# KiCad board GPDI_ULX3S_panel.kicad_pcb
title: GPDI PMOD for ULX3S; date: 2023-08-22; rev: 1.6
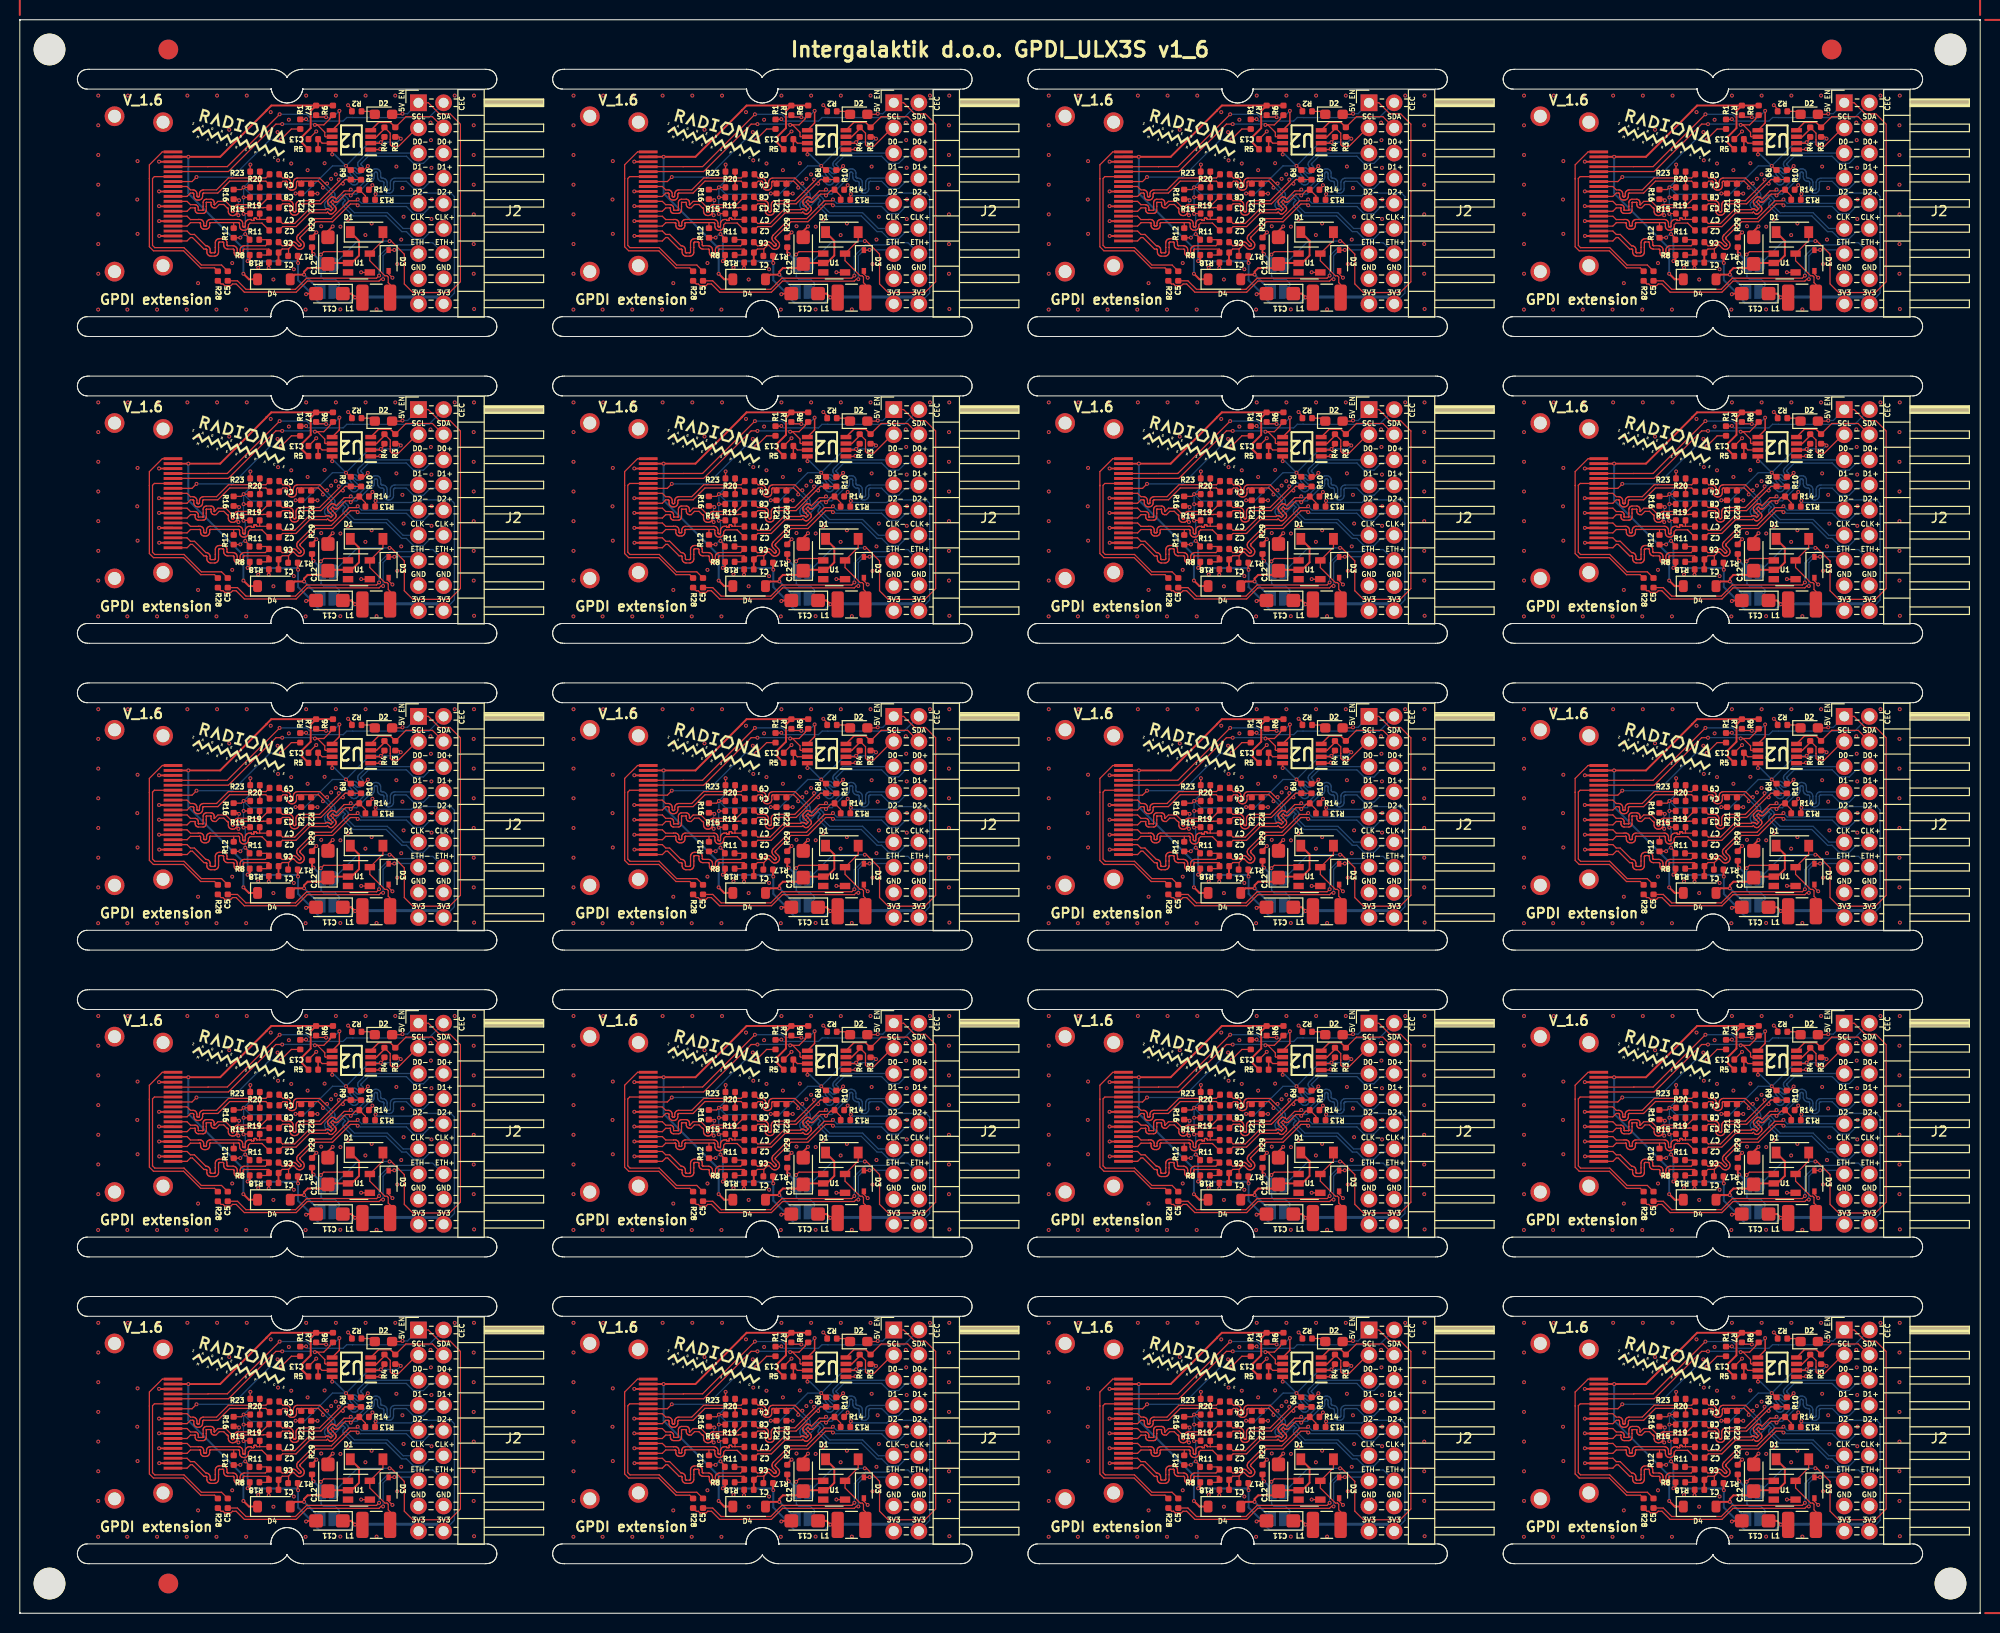
[diagram p0: board, top side]
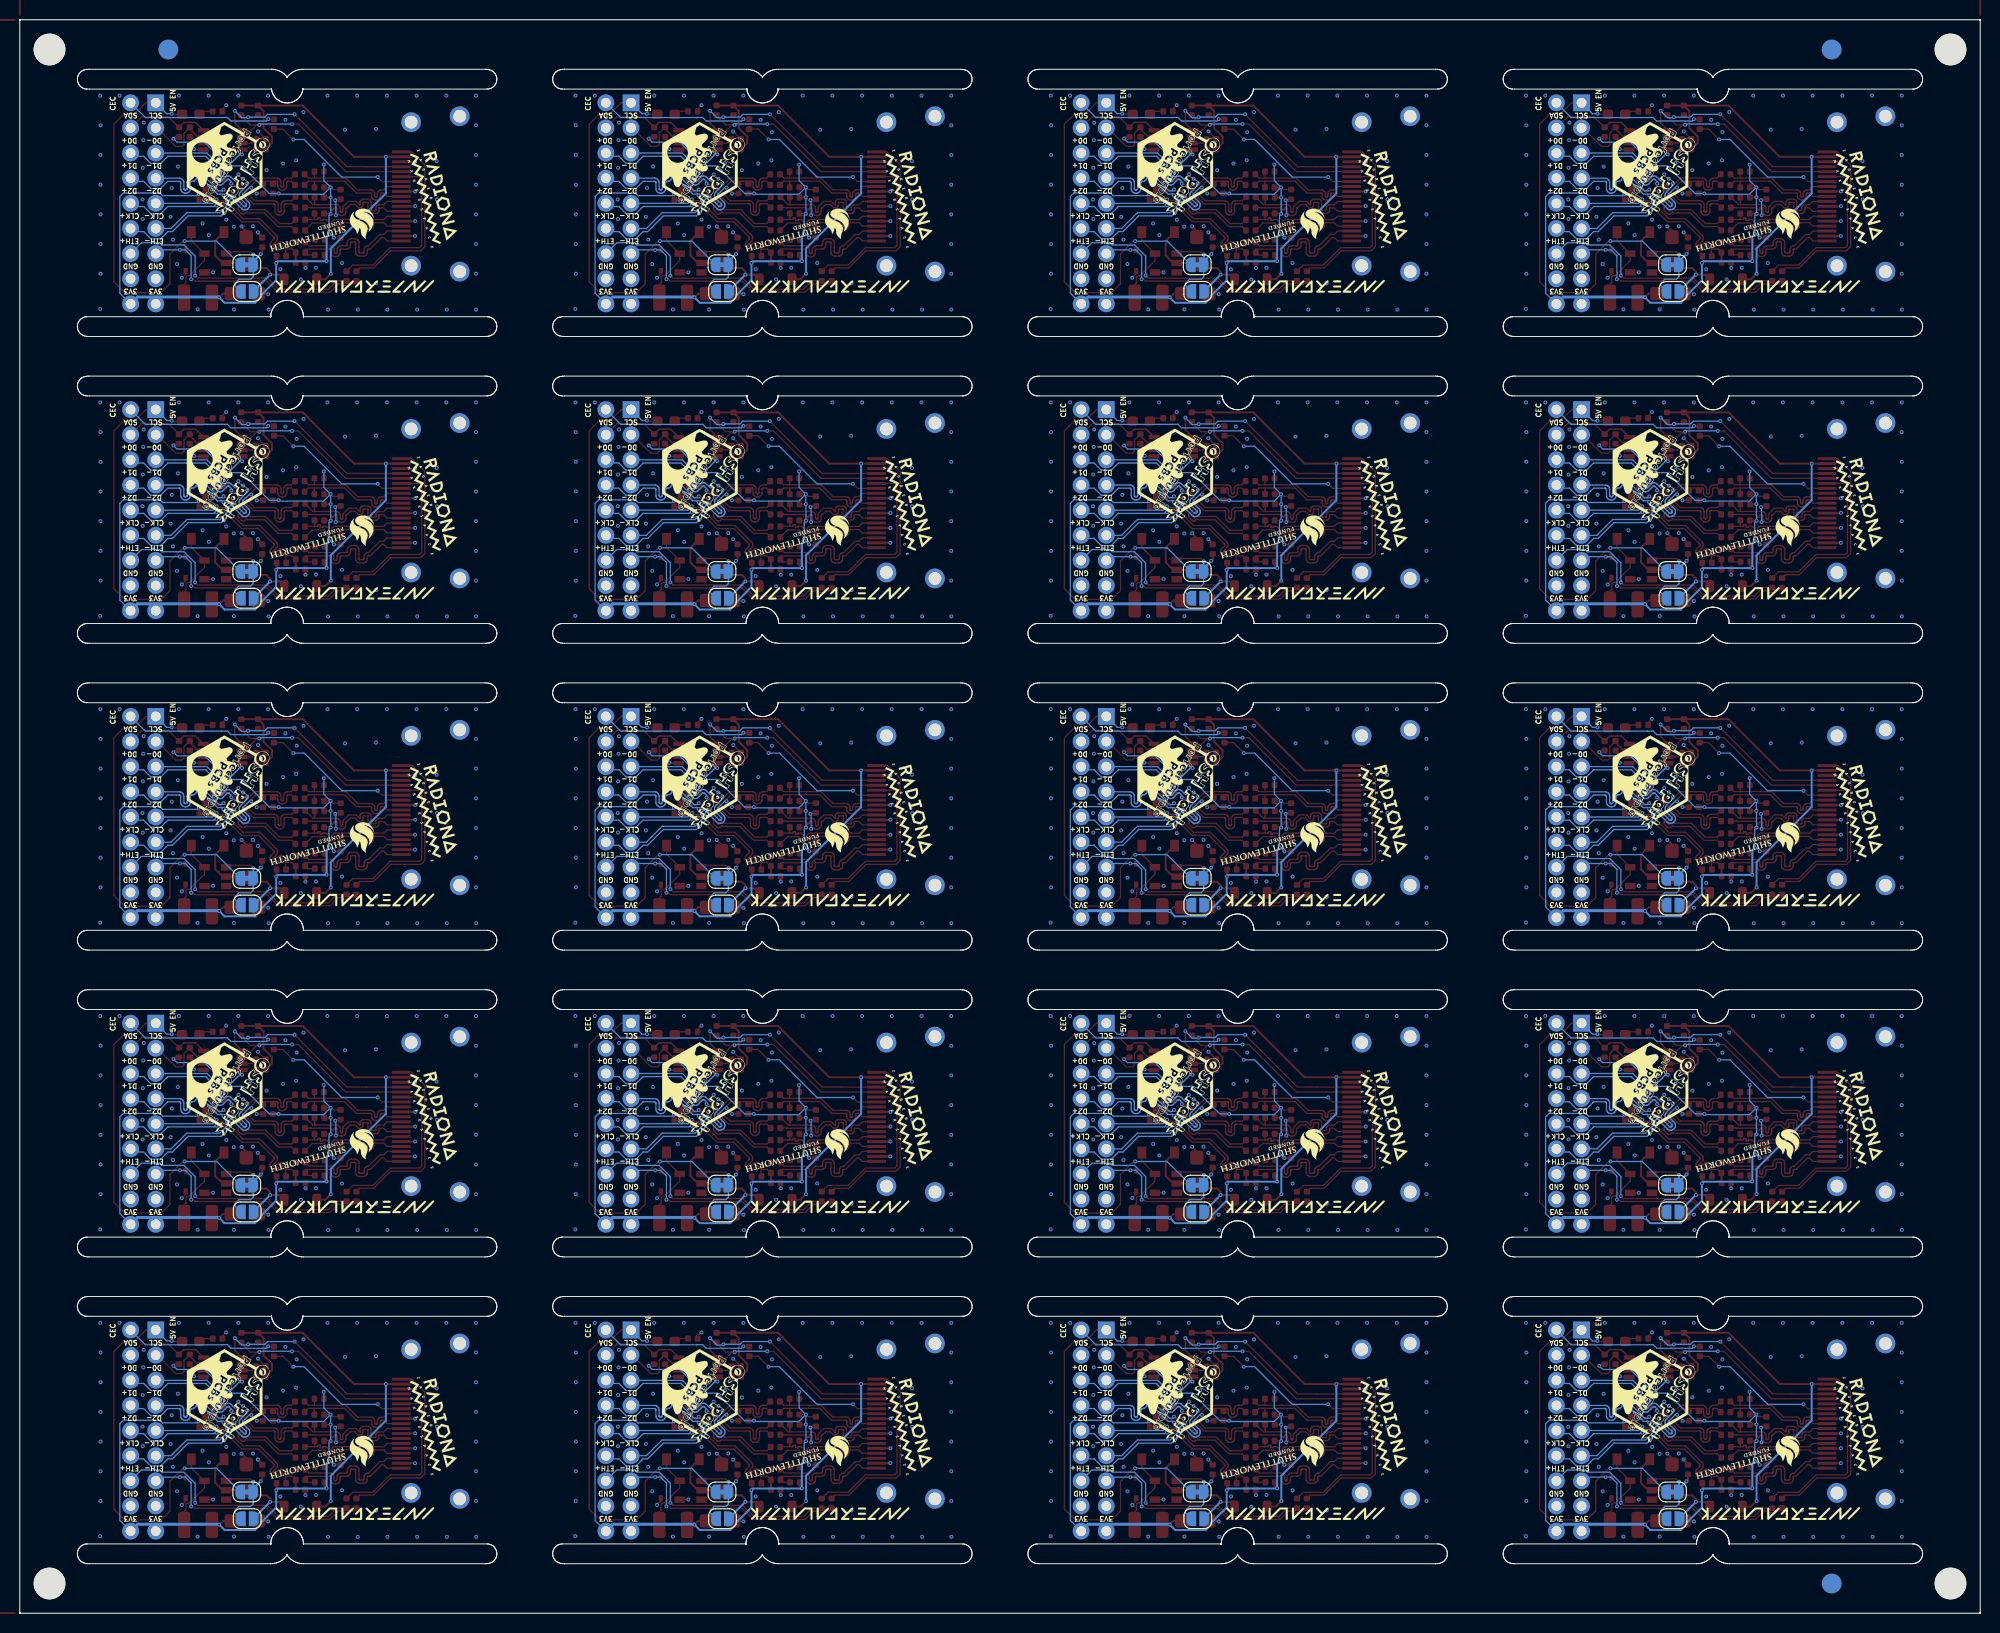
[diagram p1: board, bottom side, seen from below]

Outline 197.99 x 161 mm; copper layers: Top, In1.Cu, In2.Cu, Bottom. Coordinates in mm from the lower left corner of the outline.

## Placement (name value [footprint] x y rotation side)
C1  220nF  [C_0402_1005Metric]  25.65 13.48 180 top
C1#2  220nF  [C_0402_1005Metric]  25.65 106.48 180 top
C1#3  220nF  [C_0402_1005Metric]  169.65 13.48 180 top
C1#4  220nF  [C_0402_1005Metric]  73.65 75.48 180 top
C1#5  220nF  [C_0402_1005Metric]  169.65 137.48 180 top
C1#6  220nF  [C_0402_1005Metric]  73.65 137.48 180 top
C1#7  220nF  [C_0402_1005Metric]  73.65 106.48 180 top
C1#8  220nF  [C_0402_1005Metric]  121.65 44.48 180 top
C1#9  220nF  [C_0402_1005Metric]  25.65 44.48 180 top
C1#10  220nF  [C_0402_1005Metric]  121.65 137.48 180 top
C1#11  220nF  [C_0402_1005Metric]  121.65 75.48 180 top
C1#12  220nF  [C_0402_1005Metric]  169.65 44.48 180 top
C1#13  220nF  [C_0402_1005Metric]  73.65 13.48 180 top
C1#14  220nF  [C_0402_1005Metric]  121.65 106.48 180 top
C1#15  220nF  [C_0402_1005Metric]  169.65 75.48 180 top
C1#16  220nF  [C_0402_1005Metric]  25.65 75.48 180 top
C1#17  220nF  [C_0402_1005Metric]  25.65 137.48 180 top
C1#18  220nF  [C_0402_1005Metric]  121.65 13.48 180 top
C1#19  220nF  [C_0402_1005Metric]  73.65 44.48 180 top
C1#20  220nF  [C_0402_1005Metric]  169.65 106.48 180 top
C2  220nF  [C_0402_1005Metric]  121.67 46.72 180 top
C2#2  220nF  [C_0402_1005Metric]  25.67 139.72 180 top
C2#3  220nF  [C_0402_1005Metric]  73.67 15.72 180 top
C2#4  220nF  [C_0402_1005Metric]  121.67 15.72 180 top
C2#5  220nF  [C_0402_1005Metric]  169.67 108.72 180 top
C2#6  220nF  [C_0402_1005Metric]  73.67 108.72 180 top
C2#7  220nF  [C_0402_1005Metric]  121.67 77.72 180 top
C2#8  220nF  [C_0402_1005Metric]  169.67 139.72 180 top
C2#9  220nF  [C_0402_1005Metric]  73.67 139.72 180 top
C2#10  220nF  [C_0402_1005Metric]  25.67 46.72 180 top
C2#11  220nF  [C_0402_1005Metric]  25.67 108.72 180 top
C2#12  220nF  [C_0402_1005Metric]  25.67 15.72 180 top
C2#13  220nF  [C_0402_1005Metric]  121.67 108.72 180 top
C2#14  220nF  [C_0402_1005Metric]  169.67 77.72 180 top
C2#15  220nF  [C_0402_1005Metric]  73.67 46.72 180 top
C2#16  220nF  [C_0402_1005Metric]  121.67 139.72 180 top
C2#17  220nF  [C_0402_1005Metric]  25.67 77.72 180 top
C2#18  220nF  [C_0402_1005Metric]  169.67 46.72 180 top
C2#19  220nF  [C_0402_1005Metric]  73.67 77.72 180 top
C2#20  220nF  [C_0402_1005Metric]  169.67 15.72 180 top
C3  220nF  [C_0402_1005Metric]  169.67 111.03 180 top
C3#2  220nF  [C_0402_1005Metric]  169.67 142.03 180 top
C3#3  220nF  [C_0402_1005Metric]  121.67 80.03 180 top
C3#4  220nF  [C_0402_1005Metric]  73.67 49.03 180 top
C3#5  220nF  [C_0402_1005Metric]  73.67 111.03 180 top
C3#6  220nF  [C_0402_1005Metric]  121.67 111.03 180 top
C3#7  220nF  [C_0402_1005Metric]  25.67 142.03 180 top
C3#8  220nF  [C_0402_1005Metric]  25.67 18.03 180 top
C3#9  220nF  [C_0402_1005Metric]  73.67 18.03 180 top
C3#10  220nF  [C_0402_1005Metric]  121.67 49.03 180 top
C3#11  220nF  [C_0402_1005Metric]  121.67 142.03 180 top
C3#12  220nF  [C_0402_1005Metric]  121.67 18.03 180 top
C3#13  220nF  [C_0402_1005Metric]  169.67 18.03 180 top
C3#14  220nF  [C_0402_1005Metric]  25.67 80.03 180 top
C3#15  220nF  [C_0402_1005Metric]  169.67 80.03 180 top
C3#16  220nF  [C_0402_1005Metric]  25.67 49.03 180 top
C3#17  220nF  [C_0402_1005Metric]  169.67 49.03 180 top
C3#18  220nF  [C_0402_1005Metric]  25.67 111.03 180 top
C3#19  220nF  [C_0402_1005Metric]  73.67 80.03 180 top
C3#20  220nF  [C_0402_1005Metric]  73.67 142.03 180 top
C4  220nF  [C_0402_1005Metric]  25.71 82.32 180 top
C4#2  220nF  [C_0402_1005Metric]  73.71 51.32 180 top
C4#3  220nF  [C_0402_1005Metric]  73.71 82.32 180 top
C4#4  220nF  [C_0402_1005Metric]  121.71 113.32 180 top
C4#5  220nF  [C_0402_1005Metric]  73.71 20.32 180 top
C4#6  220nF  [C_0402_1005Metric]  169.71 82.32 180 top
C4#7  220nF  [C_0402_1005Metric]  121.71 20.32 180 top
C4#8  220nF  [C_0402_1005Metric]  73.71 113.32 180 top
C4#9  220nF  [C_0402_1005Metric]  73.71 144.32 180 top
C4#10  220nF  [C_0402_1005Metric]  169.71 20.32 180 top
C4#11  220nF  [C_0402_1005Metric]  169.71 144.32 180 top
C4#12  220nF  [C_0402_1005Metric]  121.71 144.32 180 top
C4#13  220nF  [C_0402_1005Metric]  25.71 113.32 180 top
C4#14  220nF  [C_0402_1005Metric]  25.71 144.32 180 top
C4#15  220nF  [C_0402_1005Metric]  121.71 51.32 180 top
C4#16  220nF  [C_0402_1005Metric]  169.71 113.32 180 top
C4#17  220nF  [C_0402_1005Metric]  121.71 82.32 180 top
C4#18  220nF  [C_0402_1005Metric]  25.71 51.32 180 top
C4#19  220nF  [C_0402_1005Metric]  25.71 20.32 180 top
C4#20  220nF  [C_0402_1005Metric]  169.71 51.32 180 top
C5  220nF  [C_0402_1005Metric]  21 73.11 90 top
C5#2  220nF  [C_0402_1005Metric]  21 104.11 90 top
C5#3  220nF  [C_0402_1005Metric]  117 42.11 90 top
C5#4  220nF  [C_0402_1005Metric]  69 42.11 90 top
C5#5  220nF  [C_0402_1005Metric]  165 73.11 90 top
C5#6  220nF  [C_0402_1005Metric]  21 11.11 90 top
C5#7  220nF  [C_0402_1005Metric]  117 73.11 90 top
C5#8  220nF  [C_0402_1005Metric]  69 135.11 90 top
C5#9  220nF  [C_0402_1005Metric]  117 135.11 90 top
C5#10  220nF  [C_0402_1005Metric]  165 135.11 90 top
C5#11  220nF  [C_0402_1005Metric]  165 104.11 90 top
C5#12  220nF  [C_0402_1005Metric]  165 11.11 90 top
C5#13  220nF  [C_0402_1005Metric]  69 104.11 90 top
C5#14  220nF  [C_0402_1005Metric]  21 42.11 90 top
C5#15  220nF  [C_0402_1005Metric]  165 42.11 90 top
C5#16  220nF  [C_0402_1005Metric]  117 104.11 90 top
C5#17  220nF  [C_0402_1005Metric]  21 135.11 90 top
C5#18  220nF  [C_0402_1005Metric]  69 11.11 90 top
C5#19  220nF  [C_0402_1005Metric]  117 11.11 90 top
C5#20  220nF  [C_0402_1005Metric]  69 73.11 90 top
C6  220nF  [C_0402_1005Metric]  73.65 14.53 180 top
C6#2  220nF  [C_0402_1005Metric]  25.65 14.53 180 top
C6#3  220nF  [C_0402_1005Metric]  25.65 138.53 180 top
C6#4  220nF  [C_0402_1005Metric]  73.65 138.53 180 top
C6#5  220nF  [C_0402_1005Metric]  25.65 45.53 180 top
C6#6  220nF  [C_0402_1005Metric]  169.65 14.53 180 top
C6#7  220nF  [C_0402_1005Metric]  121.65 45.53 180 top
C6#8  220nF  [C_0402_1005Metric]  73.65 76.53 180 top
C6#9  220nF  [C_0402_1005Metric]  73.65 107.53 180 top
C6#10  220nF  [C_0402_1005Metric]  169.65 138.53 180 top
C6#11  220nF  [C_0402_1005Metric]  121.65 14.53 180 top
C6#12  220nF  [C_0402_1005Metric]  169.65 107.53 180 top
C6#13  220nF  [C_0402_1005Metric]  73.65 45.53 180 top
C6#14  220nF  [C_0402_1005Metric]  169.65 45.53 180 top
C6#15  220nF  [C_0402_1005Metric]  25.65 107.53 180 top
C6#16  220nF  [C_0402_1005Metric]  121.65 107.53 180 top
C6#17  220nF  [C_0402_1005Metric]  121.65 138.53 180 top
C6#18  220nF  [C_0402_1005Metric]  121.65 76.53 180 top
C6#19  220nF  [C_0402_1005Metric]  25.65 76.53 180 top
C6#20  220nF  [C_0402_1005Metric]  169.65 76.53 180 top
C7  220nF  [C_0402_1005Metric]  25.67 78.8 180 top
C7#2  220nF  [C_0402_1005Metric]  25.67 16.8 180 top
C7#3  220nF  [C_0402_1005Metric]  169.67 109.8 180 top
C7#4  220nF  [C_0402_1005Metric]  73.67 109.8 180 top
C7#5  220nF  [C_0402_1005Metric]  169.67 47.8 180 top
C7#6  220nF  [C_0402_1005Metric]  73.67 78.8 180 top
C7#7  220nF  [C_0402_1005Metric]  25.67 140.8 180 top
C7#8  220nF  [C_0402_1005Metric]  121.67 109.8 180 top
C7#9  220nF  [C_0402_1005Metric]  73.67 16.8 180 top
C7#10  220nF  [C_0402_1005Metric]  121.67 47.8 180 top
C7#11  220nF  [C_0402_1005Metric]  169.67 16.8 180 top
C7#12  220nF  [C_0402_1005Metric]  169.67 140.8 180 top
C7#13  220nF  [C_0402_1005Metric]  169.67 78.8 180 top
C7#14  220nF  [C_0402_1005Metric]  73.67 47.8 180 top
C7#15  220nF  [C_0402_1005Metric]  121.67 16.8 180 top
C7#16  220nF  [C_0402_1005Metric]  121.67 140.8 180 top
C7#17  220nF  [C_0402_1005Metric]  25.67 47.8 180 top
C7#18  220nF  [C_0402_1005Metric]  121.67 78.8 180 top
C7#19  220nF  [C_0402_1005Metric]  73.67 140.8 180 top
C7#20  220nF  [C_0402_1005Metric]  25.67 109.8 180 top
C8  220nF  [C_0402_1005Metric]  169.66 19.11 180 top
C8#2  220nF  [C_0402_1005Metric]  121.66 50.11 180 top
C8#3  220nF  [C_0402_1005Metric]  121.66 81.11 180 top
C8#4  220nF  [C_0402_1005Metric]  73.66 81.11 180 top
C8#5  220nF  [C_0402_1005Metric]  169.66 143.11 180 top
C8#6  220nF  [C_0402_1005Metric]  73.66 143.11 180 top
C8#7  220nF  [C_0402_1005Metric]  25.66 112.11 180 top
C8#8  220nF  [C_0402_1005Metric]  121.66 19.11 180 top
C8#9  220nF  [C_0402_1005Metric]  169.66 112.11 180 top
C8#10  220nF  [C_0402_1005Metric]  73.66 50.11 180 top
C8#11  220nF  [C_0402_1005Metric]  73.66 19.11 180 top
C8#12  220nF  [C_0402_1005Metric]  121.66 112.11 180 top
C8#13  220nF  [C_0402_1005Metric]  73.66 112.11 180 top
C8#14  220nF  [C_0402_1005Metric]  169.66 81.11 180 top
C8#15  220nF  [C_0402_1005Metric]  25.66 19.11 180 top
C8#16  220nF  [C_0402_1005Metric]  25.66 81.11 180 top
C8#17  220nF  [C_0402_1005Metric]  169.66 50.11 180 top
C8#18  220nF  [C_0402_1005Metric]  25.66 50.11 180 top
C8#19  220nF  [C_0402_1005Metric]  121.66 143.11 180 top
C8#20  220nF  [C_0402_1005Metric]  25.66 143.11 180 top
C9  220nF  [C_0402_1005Metric]  25.71 21.39 180 top
C9#2  220nF  [C_0402_1005Metric]  169.71 114.39 180 top
C9#3  220nF  [C_0402_1005Metric]  73.71 83.39 180 top
C9#4  220nF  [C_0402_1005Metric]  121.71 145.39 180 top
C9#5  220nF  [C_0402_1005Metric]  73.71 145.39 180 top
C9#6  220nF  [C_0402_1005Metric]  73.71 52.39 180 top
C9#7  220nF  [C_0402_1005Metric]  121.71 52.39 180 top
C9#8  220nF  [C_0402_1005Metric]  25.71 52.39 180 top
C9#9  220nF  [C_0402_1005Metric]  25.71 83.39 180 top
C9#10  220nF  [C_0402_1005Metric]  25.71 114.39 180 top
C9#11  220nF  [C_0402_1005Metric]  169.71 83.39 180 top
C9#12  220nF  [C_0402_1005Metric]  169.71 21.39 180 top
C9#13  220nF  [C_0402_1005Metric]  121.71 21.39 180 top
C9#14  220nF  [C_0402_1005Metric]  121.71 83.39 180 top
C9#15  220nF  [C_0402_1005Metric]  25.71 145.39 180 top
C9#16  220nF  [C_0402_1005Metric]  121.71 114.39 180 top
C9#17  220nF  [C_0402_1005Metric]  169.71 145.39 180 top
C9#18  220nF  [C_0402_1005Metric]  169.71 52.39 180 top
C9#19  220nF  [C_0402_1005Metric]  73.71 114.39 180 top
C9#20  220nF  [C_0402_1005Metric]  73.71 21.39 180 top
C11  47uF  [CP_EIA-3216-10_Kemet-I]  175.27 102.33 180 top
C11#2  47uF  [CP_EIA-3216-10_Kemet-I]  79.27 102.33 180 top
C11#3  47uF  [CP_EIA-3216-10_Kemet-I]  31.27 9.33 180 top
C11#4  47uF  [CP_EIA-3216-10_Kemet-I]  31.27 71.33 180 top
C11#5  47uF  [CP_EIA-3216-10_Kemet-I]  79.27 71.33 180 top
C11#6  47uF  [CP_EIA-3216-10_Kemet-I]  79.27 9.33 180 top
C11#7  47uF  [CP_EIA-3216-10_Kemet-I]  127.27 71.33 180 top
C11#8  47uF  [CP_EIA-3216-10_Kemet-I]  31.27 40.33 180 top
C11#9  47uF  [CP_EIA-3216-10_Kemet-I]  175.27 40.33 180 top
C11#10  47uF  [CP_EIA-3216-10_Kemet-I]  127.27 9.33 180 top
C11#11  47uF  [CP_EIA-3216-10_Kemet-I]  31.27 133.33 180 top
C11#12  47uF  [CP_EIA-3216-10_Kemet-I]  127.27 102.33 180 top
C11#13  47uF  [CP_EIA-3216-10_Kemet-I]  127.27 133.33 180 top
C11#14  47uF  [CP_EIA-3216-10_Kemet-I]  79.27 133.33 180 top
C11#15  47uF  [CP_EIA-3216-10_Kemet-I]  175.27 133.33 180 top
C11#16  47uF  [CP_EIA-3216-10_Kemet-I]  127.27 40.33 180 top
C11#17  47uF  [CP_EIA-3216-10_Kemet-I]  79.27 40.33 180 top
C11#18  47uF  [CP_EIA-3216-10_Kemet-I]  175.27 71.33 180 top
C11#19  47uF  [CP_EIA-3216-10_Kemet-I]  175.27 9.33 180 top
C11#20  47uF  [CP_EIA-3216-10_Kemet-I]  31.27 102.33 180 top
C12  47uF  [CP_EIA-3216-10_Kemet-I]  127.12 13.68 90 top
C12#2  47uF  [CP_EIA-3216-10_Kemet-I]  79.12 106.68 90 top
C12#3  47uF  [CP_EIA-3216-10_Kemet-I]  79.12 44.68 90 top
C12#4  47uF  [CP_EIA-3216-10_Kemet-I]  127.12 106.68 90 top
C12#5  47uF  [CP_EIA-3216-10_Kemet-I]  31.12 44.68 90 top
C12#6  47uF  [CP_EIA-3216-10_Kemet-I]  79.12 13.68 90 top
C12#7  47uF  [CP_EIA-3216-10_Kemet-I]  175.12 137.68 90 top
C12#8  47uF  [CP_EIA-3216-10_Kemet-I]  127.12 44.68 90 top
C12#9  47uF  [CP_EIA-3216-10_Kemet-I]  175.12 44.68 90 top
C12#10  47uF  [CP_EIA-3216-10_Kemet-I]  31.12 13.68 90 top
C12#11  47uF  [CP_EIA-3216-10_Kemet-I]  175.12 75.68 90 top
C12#12  47uF  [CP_EIA-3216-10_Kemet-I]  127.12 137.68 90 top
C12#13  47uF  [CP_EIA-3216-10_Kemet-I]  31.12 106.68 90 top
C12#14  47uF  [CP_EIA-3216-10_Kemet-I]  175.12 106.68 90 top
C12#15  47uF  [CP_EIA-3216-10_Kemet-I]  31.12 137.68 90 top
C12#16  47uF  [CP_EIA-3216-10_Kemet-I]  79.12 137.68 90 top
C12#17  47uF  [CP_EIA-3216-10_Kemet-I]  31.12 75.68 90 top
C12#18  47uF  [CP_EIA-3216-10_Kemet-I]  79.12 75.68 90 top
C12#19  47uF  [CP_EIA-3216-10_Kemet-I]  127.12 75.68 90 top
C12#20  47uF  [CP_EIA-3216-10_Kemet-I]  175.12 13.68 90 top
C13  470pF  [C_0402_1005Metric]  173.64 55.94 180 top
C13#2  470pF  [C_0402_1005Metric]  173.64 117.94 180 top
C13#3  470pF  [C_0402_1005Metric]  77.64 148.94 180 top
C13#4  470pF  [C_0402_1005Metric]  77.64 86.94 180 top
C13#5  470pF  [C_0402_1005Metric]  29.64 24.94 180 top
C13#6  470pF  [C_0402_1005Metric]  125.64 24.94 180 top
C13#7  470pF  [C_0402_1005Metric]  77.64 24.94 180 top
C13#8  470pF  [C_0402_1005Metric]  29.64 148.94 180 top
C13#9  470pF  [C_0402_1005Metric]  125.64 117.94 180 top
C13#10  470pF  [C_0402_1005Metric]  29.64 117.94 180 top
C13#11  470pF  [C_0402_1005Metric]  125.64 86.94 180 top
C13#12  470pF  [C_0402_1005Metric]  173.64 24.94 180 top
C13#13  470pF  [C_0402_1005Metric]  125.64 55.94 180 top
C13#14  470pF  [C_0402_1005Metric]  173.64 86.94 180 top
C13#15  470pF  [C_0402_1005Metric]  125.64 148.94 180 top
C13#16  470pF  [C_0402_1005Metric]  29.64 86.94 180 top
C13#17  470pF  [C_0402_1005Metric]  29.64 55.94 180 top
C13#18  470pF  [C_0402_1005Metric]  77.64 117.94 180 top
C13#19  470pF  [C_0402_1005Metric]  77.64 55.94 180 top
C13#20  470pF  [C_0402_1005Metric]  173.64 148.94 180 top
D1  MBR0520  [D_SOD-123]  131.02 139.55 0 top
D1#2  MBR0520  [D_SOD-123]  83.02 108.55 0 top
D1#3  MBR0520  [D_SOD-123]  35.02 139.55 0 top
D1#4  MBR0520  [D_SOD-123]  35.02 46.55 0 top
D1#5  MBR0520  [D_SOD-123]  131.02 77.55 0 top
D1#6  MBR0520  [D_SOD-123]  131.02 15.55 0 top
D1#7  MBR0520  [D_SOD-123]  83.02 46.55 0 top
D1#8  MBR0520  [D_SOD-123]  35.02 15.55 0 top
D1#9  MBR0520  [D_SOD-123]  179.02 46.55 0 top
D1#10  MBR0520  [D_SOD-123]  179.02 77.55 0 top
D1#11  MBR0520  [D_SOD-123]  83.02 77.55 0 top
D1#12  MBR0520  [D_SOD-123]  131.02 46.55 0 top
D1#13  MBR0520  [D_SOD-123]  83.02 139.55 0 top
D1#14  MBR0520  [D_SOD-123]  35.02 77.55 0 top
D1#15  MBR0520  [D_SOD-123]  131.02 108.55 0 top
D1#16  MBR0520  [D_SOD-123]  83.02 15.55 0 top
D1#17  MBR0520  [D_SOD-123]  179.02 139.55 0 top
D1#18  MBR0520  [D_SOD-123]  179.02 108.55 0 top
D1#19  MBR0520  [D_SOD-123]  35.02 108.55 0 top
D1#20  MBR0520  [D_SOD-123]  179.02 15.55 0 top
D2  LED  [LED_0603_1608Metric_Pad1.05x0.95mm_HandSolder]  180.72 89.45 0 top
D2#2  LED  [LED_0603_1608Metric_Pad1.05x0.95mm_HandSolder]  36.73 120.45 0 top
D2#3  LED  [LED_0603_1608Metric_Pad1.05x0.95mm_HandSolder]  36.73 89.45 0 top
D2#4  LED  [LED_0603_1608Metric_Pad1.05x0.95mm_HandSolder]  36.73 27.45 0 top
D2#5  LED  [LED_0603_1608Metric_Pad1.05x0.95mm_HandSolder]  84.72 89.45 0 top
D2#6  LED  [LED_0603_1608Metric_Pad1.05x0.95mm_HandSolder]  84.72 27.45 0 top
D2#7  LED  [LED_0603_1608Metric_Pad1.05x0.95mm_HandSolder]  84.72 120.45 0 top
D2#8  LED  [LED_0603_1608Metric_Pad1.05x0.95mm_HandSolder]  84.72 58.45 0 top
D2#9  LED  [LED_0603_1608Metric_Pad1.05x0.95mm_HandSolder]  132.72 89.45 0 top
D2#10  LED  [LED_0603_1608Metric_Pad1.05x0.95mm_HandSolder]  132.72 151.45 0 top
D2#11  LED  [LED_0603_1608Metric_Pad1.05x0.95mm_HandSolder]  132.72 27.45 0 top
D2#12  LED  [LED_0603_1608Metric_Pad1.05x0.95mm_HandSolder]  180.72 120.45 0 top
D2#13  LED  [LED_0603_1608Metric_Pad1.05x0.95mm_HandSolder]  180.72 27.45 0 top
D2#14  LED  [LED_0603_1608Metric_Pad1.05x0.95mm_HandSolder]  36.73 58.45 0 top
D2#15  LED  [LED_0603_1608Metric_Pad1.05x0.95mm_HandSolder]  180.72 58.45 0 top
D2#16  LED  [LED_0603_1608Metric_Pad1.05x0.95mm_HandSolder]  84.72 151.45 0 top
D2#17  LED  [LED_0603_1608Metric_Pad1.05x0.95mm_HandSolder]  180.72 151.45 0 top
D2#18  LED  [LED_0603_1608Metric_Pad1.05x0.95mm_HandSolder]  132.72 58.45 0 top
D2#19  LED  [LED_0603_1608Metric_Pad1.05x0.95mm_HandSolder]  36.73 151.45 0 top
D2#20  LED  [LED_0603_1608Metric_Pad1.05x0.95mm_HandSolder]  132.72 120.45 0 top
D3  BZT52C3V6S-7-F  [D_SOD-323]  37.25 12.68 270 top
D3#2  BZT52C3V6S-7-F  [D_SOD-323]  181.25 105.67 270 top
D3#3  BZT52C3V6S-7-F  [D_SOD-323]  181.25 43.68 270 top
D3#4  BZT52C3V6S-7-F  [D_SOD-323]  85.25 74.67 270 top
D3#5  BZT52C3V6S-7-F  [D_SOD-323]  133.25 105.67 270 top
D3#6  BZT52C3V6S-7-F  [D_SOD-323]  37.25 74.67 270 top
D3#7  BZT52C3V6S-7-F  [D_SOD-323]  181.25 74.67 270 top
D3#8  BZT52C3V6S-7-F  [D_SOD-323]  133.25 43.68 270 top
D3#9  BZT52C3V6S-7-F  [D_SOD-323]  133.25 74.67 270 top
D3#10  BZT52C3V6S-7-F  [D_SOD-323]  85.25 12.68 270 top
D3#11  BZT52C3V6S-7-F  [D_SOD-323]  181.25 136.68 270 top
D3#12  BZT52C3V6S-7-F  [D_SOD-323]  37.25 105.67 270 top
D3#13  BZT52C3V6S-7-F  [D_SOD-323]  181.25 12.68 270 top
D3#14  BZT52C3V6S-7-F  [D_SOD-323]  133.25 136.68 270 top
D3#15  BZT52C3V6S-7-F  [D_SOD-323]  37.25 43.68 270 top
D3#16  BZT52C3V6S-7-F  [D_SOD-323]  85.25 43.68 270 top
D3#17  BZT52C3V6S-7-F  [D_SOD-323]  133.25 12.68 270 top
D3#18  BZT52C3V6S-7-F  [D_SOD-323]  37.25 136.68 270 top
D3#19  BZT52C3V6S-7-F  [D_SOD-323]  85.25 136.68 270 top
D3#20  BZT52C3V6S-7-F  [D_SOD-323]  85.25 105.67 270 top
D4  MBR0520  [D_SOD-123#2]  73.66 103.78 0 top
D4#2  MBR0520  [D_SOD-123#2]  121.66 134.78 0 top
D4#3  MBR0520  [D_SOD-123#2]  73.66 72.78 0 top
D4#4  MBR0520  [D_SOD-123#2]  169.66 10.78 0 top
D4#5  MBR0520  [D_SOD-123#2]  25.66 41.78 0 top
D4#6  MBR0520  [D_SOD-123#2]  73.66 41.78 0 top
D4#7  MBR0520  [D_SOD-123#2]  73.66 10.78 0 top
D4#8  MBR0520  [D_SOD-123#2]  169.66 41.78 0 top
D4#9  MBR0520  [D_SOD-123#2]  25.66 10.78 0 top
D4#10  MBR0520  [D_SOD-123#2]  73.66 134.78 0 top
D4#11  MBR0520  [D_SOD-123#2]  169.66 134.78 0 top
D4#12  MBR0520  [D_SOD-123#2]  25.66 72.78 0 top
D4#13  MBR0520  [D_SOD-123#2]  121.66 103.78 0 top
D4#14  MBR0520  [D_SOD-123#2]  121.66 10.78 0 top
D4#15  MBR0520  [D_SOD-123#2]  25.66 134.78 0 top
D4#16  MBR0520  [D_SOD-123#2]  25.66 103.78 0 top
D4#17  MBR0520  [D_SOD-123#2]  169.66 72.78 0 top
D4#18  MBR0520  [D_SOD-123#2]  121.66 72.78 0 top
D4#19  MBR0520  [D_SOD-123#2]  169.66 103.78 0 top
D4#20  MBR0520  [D_SOD-123#2]  121.66 41.78 0 top
G***  LOGO  [radiona-10mm]  70.29 149.45 345 top
G***#2  LOGO  [radiona-10mm]  166.29 56.45 345 top